# Altium PCB Copy of RUT_LCD_1.PcbDoc
Units mm, origin at the board's own origin, x right, y up, seen from the top; angles counter-clockwise.
Board outline 58.61 x 90 mm, 2 copper layers (Top Layer, Bottom Layer), stack 1.57 mm thick; 40 components, 28 nets, 172 pads, 235 vias.
Unrouted connection lines stored in the file: 2.
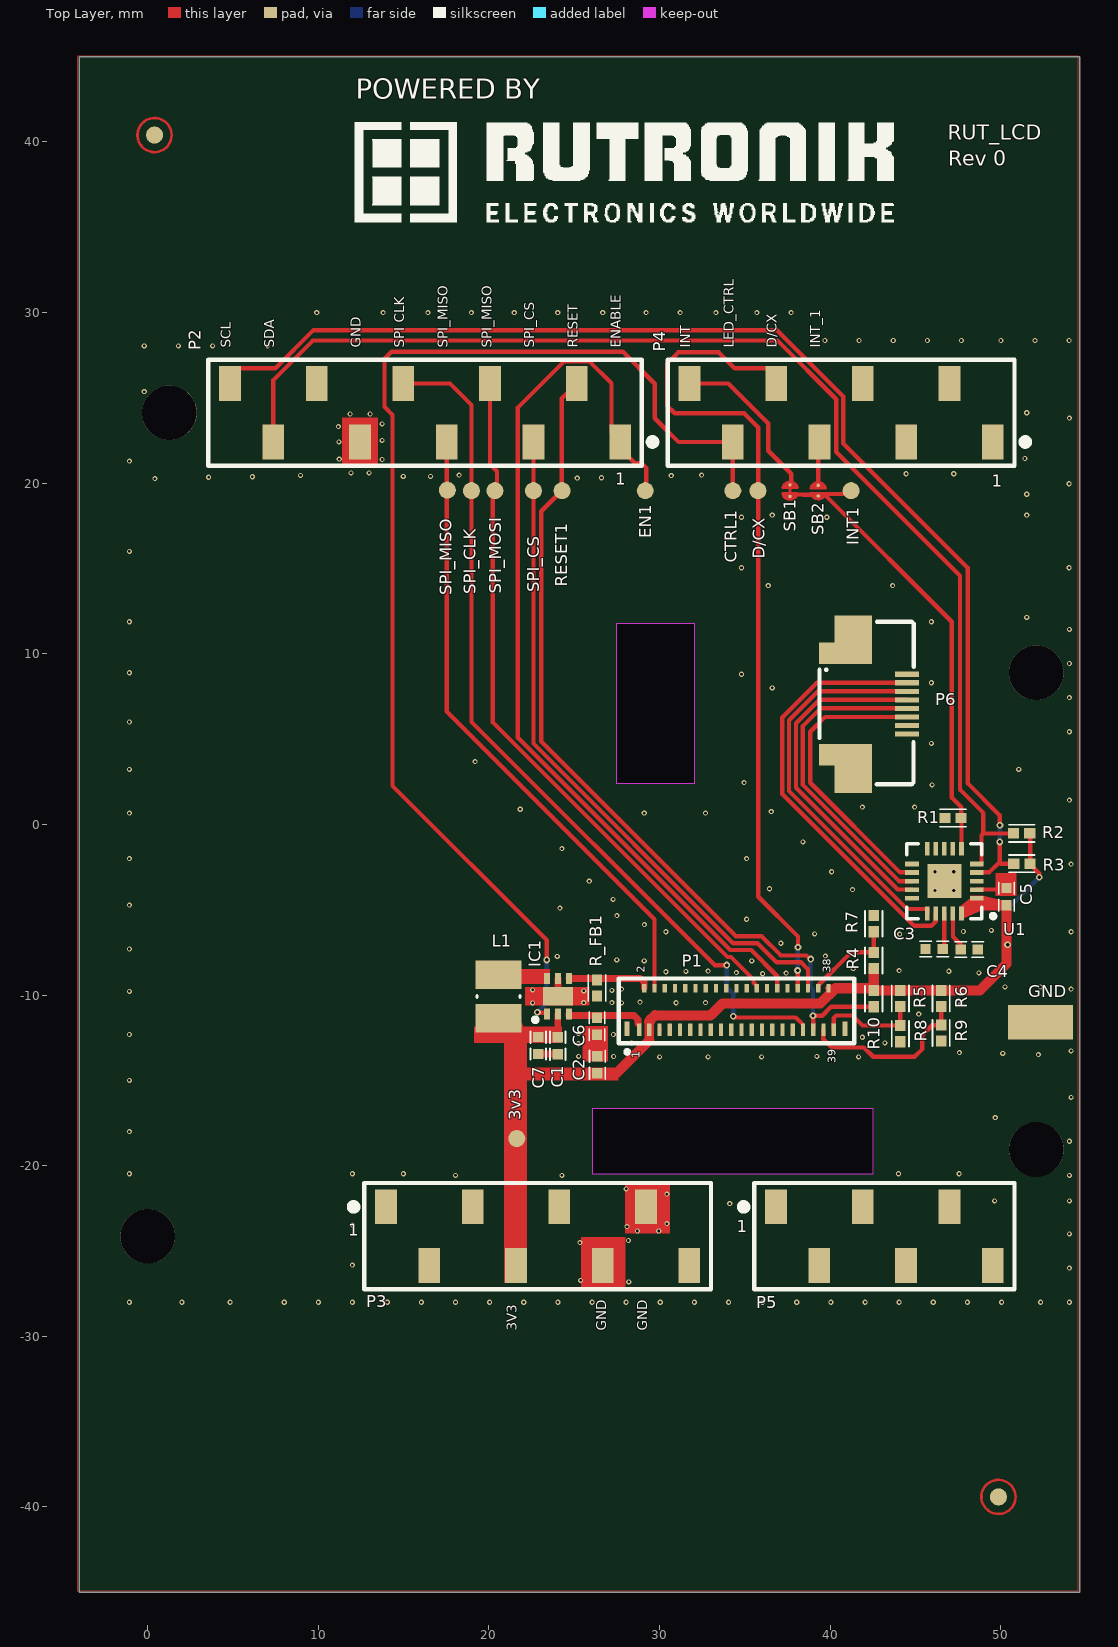
[diagram p0: Top Layer view]
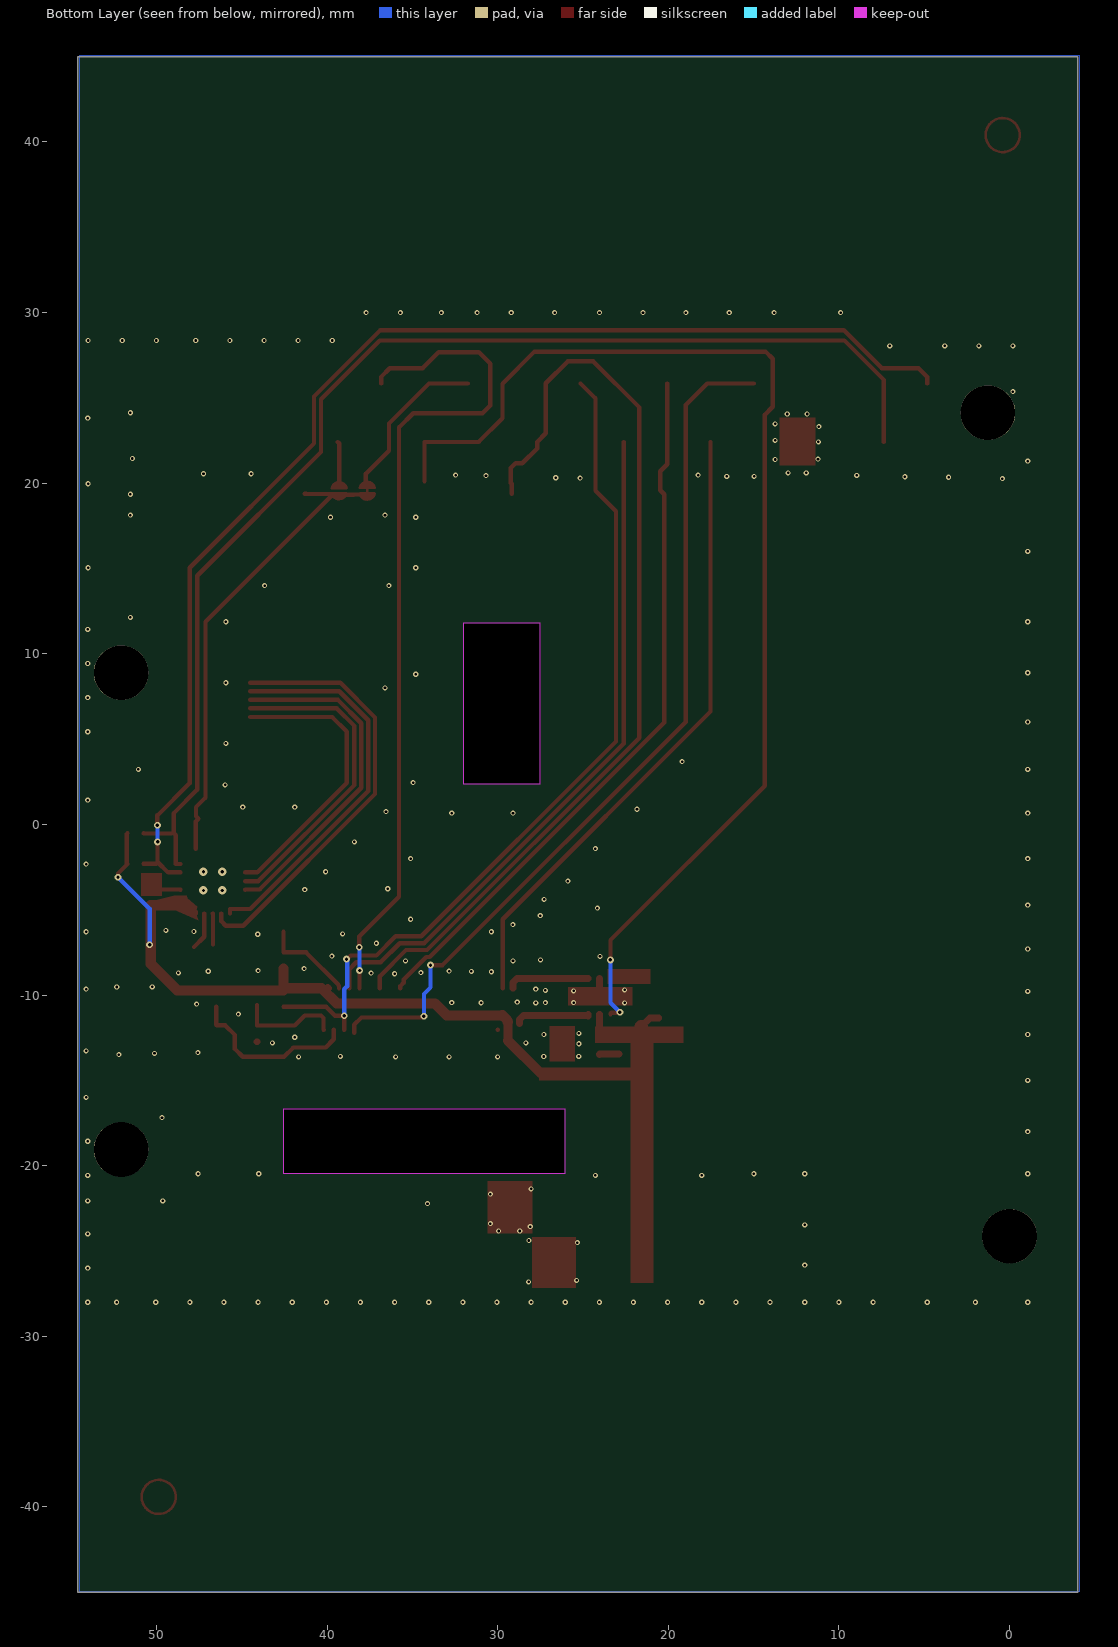
[diagram p1: Bottom Layer view, seen from below]

## Layer stack, top to bottom
Top Solder: solder mask 0.0254, SM-003, Dk 4
Top Layer: signal copper 0.0356
Core: core 1.4986, Core-043, Dk 4.3
Bottom Layer: signal copper 0.0356
Bottom Solder: solder mask 0.0254, SM-003, Dk 4

## Board outline
-4,-45 -4,45 54.61,45 54.61,-45
cut-out: 42.525,-20.474 42.525,-16.65 26.064,-16.65 26.064,-20.474
cut-out: 32.03,11.8 32.03,2.38 27.5,2.38 27.5,11.8

## Design rules (kind name [scope] priority, off if disabled: settings)
Clearance [All] p1: gap=0.15 ignorepadtopadclearanceinfootprint=FALSE except(0.1: Via-Via)
ComponentClearance [All] p1: gap=0 collisioncheckmode=3 verticalgap=0 showdistances=TRUE
DiffPairsRouting [All] p1: maxlimit=0.2 minlimit=0.15 mostfreqgap=0.15 toplayer_minwidth=0.2 toplayer_maxwidth=0.4 toplayer_prefwidth=0.25 bottomlayer_minwidth=0.2 bottomlayer_maxwidth=0.4 bottomlayer_prefwidth=0.25 maxuncoupledlength=12.7
HoleSize [All] p1: absolutevalues=TRUE maxlimit=12 minlimit=0.025 maxpercent=80.000 minpercent=20.000
HoleToHoleClearance [All] p1: gap=0 allowstackedmicrovias=TRUE
MinimumSolderMaskSliver [All] p1: minsoldermaskwidth=0
PolygonConnect PolygonConnect_via [isvia] p1: connectstyle=Direct reliefconductorwidth=0.254 reliefentries=4 polygonreliefangle="90 Angle" airgapwidth=0.254
PolygonConnect [All] p2: connectstyle=Relief reliefconductorwidth=0.4 reliefentries=4 polygonreliefangle="90 Angle" airgapwidth=0.25
RoomDefinition USBPD_Sink [InComponentClass('USBPD_Sink')] p1: confinementstyle=ConfineIn formatcopy=TRUE lockcomponents=FALSE outline -71.425,-49.675 188.974,-49.675 188.974,22.285 -71.425,22.285
RoomDefinition Power [InComponentClass('Power')] p2: confinementstyle=ConfineIn formatcopy=TRUE lockcomponents=FALSE outline -71.635,-49.055 53.415,-49.055 53.415,22.075 -71.635,22.075
RoomDefinition Main_Schematic [InComponentClass('Main_Schematic')] p3: confinementstyle=ConfineIn formatcopy=TRUE lockcomponents=FALSE outline -71.425,-49.055 195.645,-49.055 195.645,31.605 -71.425,31.605
RoutingVias [All] p1: holewidth=0.711 width=1.27 viastyle="Through Hole" minholewidth=0.15 minwidth=0.3 maxholewidth=0.96 maxwidth=1.27
SilkToSilkClearance [All] p1: silktosilkclearance=0
SilkToSolderMaskClearance [IsPad] p1: minsilkscreentomaskgap=0 clearancetoexposedcopper=TRUE
SolderMaskExpansion [All] p1: expansion=0.102
Width "Schematic Width Constraint_6" [InNet('GNSS_ANT')] p1: maxlimit=4 minlimit=0.2 preferedwidth=1.1
Width "Schematic Width Constraint_4" [InNet('CELL_ANT')] p2: maxlimit=4 minlimit=0.2 preferedwidth=1.1
Width "Schematic Width Constraint_2" [InNet('NetL3_1')] p3: maxlimit=4 minlimit=0.2 preferedwidth=1.1
Width "Schematic Width Constraint_1" [InNet('NetR7_2')] p4: maxlimit=4 minlimit=0.2 preferedwidth=1.1
Width "Schematic Width Constraint" [InNet('NetANT2_1')] p5: maxlimit=4 minlimit=0.2 preferedwidth=1.1
Width [All] p6: maxlimit=4 minlimit=0.15 preferedwidth=0.2
23 further rules are at their usual default settings.

## Components (designator, comment, footprint, x,y, rotation, side; value= is the part's Value field where it differs from the comment)
3v3 "Ø1.0mm,SMD" TP_SMD_Ø1.0MM 21.63,-18.41 r90 top
C1 "Cap Semi" c0402 24.03,-12.97 r90 top value=100nF
C2 "Cap Semi" c0402 26.35,-14.08 r270 top value=4.7uF
C3 "2.2uF" C0402 46.09,-7.3 r0 top
C4 "1uF" C0402 48.15,-7.33 r180 top
C5 "1uF" C0402 50.33,-4.23 r270 top
C6 "Cap Semi" C0402 26.33,-11.83 r270 top value=1uF
C7 "Cap Semi" C0402 22.89,-12.96 r270 top value=2.2uF
CTRL1 "Ø1.0mm,SMD" TP_SMD_Ø1.0MM 34.29,19.558 r0 top
D/CX "Ø1.0mm,SMD" TP_SMD_Ø1.0MM 35.763,19.558 r90 top
EN1 "Ø1.0mm,SMD" TP_SMD_Ø1.0MM 29.159,19.558 r0 top
GND "GND Test Point" 5019_keystone 52.33,-11.59 r0 top value=5019
IC1 "AL3050FDC-7" SON65P200X200X61-7N 24.04,-10.07 r90 bottom
INT1 "Ø1.0mm,SMD" TP_SMD_Ø1.0MM 41.224,19.558 r0 top
L1 "" INDC3225X22N 20.56,-10.08 r90 bottom value=22uH
P1 "P" FPC-39-0.3MM 28.8,-12.03 r0 top locked
P2 "DIGITAL 1" "Header  10way SMT 2.54mm 1row" 27.685,22.415 r180 top locked value=10129380-910002ALF
P3 "POWER" "HEADER  8WAY SMT 2.54MM 1ROW" 13.965,-22.415 r0 top locked value=10129380-908002ALF
P4 "DIGITAL 2" "HEADER  8WAY SMT 2.54MM 1ROW" 49.53,22.415 r180 top locked
P5 "ANALOG" "HEADER  6WAY SMT 2.54MM 1ROW" 36.825,-22.415 r0 top locked
P6 "0528920833" "CONN FFC BOTTOM 8POS 0.50MM" 44.495,5.3 r270 top locked
R1 "1M" R0402 47.2,0.38 r0 top
R2 "4.7K" R0402 51.216,-0.523 r0 top
R3 "4.7K" R0402 51.229,-2.3 r180 top
R4 "Res2" R0402 42.55,-7.975 r90 top value=10K
R5 "Res2" R0402 44.109,-10.2 r270 top value=NC
R6 "Res2" R0402 46.5,-10.2 r270 top value=10K
R7 "Res2" R0402 42.55,-5.815 r90 top value=NC
R8 "Res2" R0402 44.105,-12.259 r270 top value=10K
R9 "Res2" R0402 46.5,-12.217 r90 top value=NC
R10 "Res2" R0402 42.55,-10.21 r90 top value=10K
R_FB1 "Res1" R0402 26.33,-9.59 r90 top value=10R
RESET1 "Ø1.0mm,SMD" TP_SMD_Ø1.0MM 24.282,19.558 r90 top
SB1 "Solderbridge" Solderbridge_Shorted 37.643,19.558 r270 top net-tie
SB2 "Solderbridge" Solderbridge 39.294,19.558 r270 top
SPI_CLK "Ø1.0mm,SMD" TP_SMD_Ø1.0MM 18.974,19.558 r90 top
SPI_CS "Ø1.0mm,SMD" TP_SMD_Ø1.0MM 22.606,19.558 r90 top
SPI_MISO "Ø1.0mm,SMD" TP_SMD_Ø1.0MM 17.56,19.59 r90 top
SPI_MOSI "Ø1.0mm,SMD" TP_SMD_Ø1.0mm 20.345,19.558 r90 top
U1 "BU21077MUV" VQFN020V4040 46.69,-3.32 r180 top

## Footprints (in the part's own frame and the unit in brackets; to place one, negate y for a bottom-side part, rotate by r counter-clockwise, add the part's x,y. Pads: shape width x height; smd on the part's side, far side on the other; paste and mask are expansions set on the pad)
5019_keystone [mm] "Keystone Test Point 5019"
  rect 3.8x2.03 smd: 1(0,0)
  body extent -1.9,-1.01 1.91,1.02, height 2.29
c0402 [mm] "Chip Capacitor, 2-Leads, Body 1,0x0,5mm, IPC High Density"
  rect 0.6x0.6 smd: 1(-0.5,0) 2(0.5,0)
  silkscreen extent -0.84,-0.46 0.84,0.46, body extent -0.5,-0.3 0.5,0.3, height 0.2
C0402 [mm] "Chip Capacitor, 2-Leads, Body 1,0x0,5mm, IPC High Density"
  rect 0.6x0.6 smd: 1(-0.5,0) 2(0.5,0)
  silkscreen extent -0.84,-0.46 0.84,0.46, body extent -0.5,-0.3 0.5,0.3, height 0.2
"CONN FFC BOTTOM 8POS 0.50MM" [mm]
  rect 0.3x1.4 smd: 1(-3.5,0) 2(-3,0) 3(-2.5,0) 4(-2,0) 5(-1.5,0) 6(-1,0) 7(-0.5,0) 8(0,0)
  rect 1.6x2.2 smd: ""(-6.15,-3.15) ""(2.65,-3.15)
  rect 1.25x3.1 smd: ""(-4.725,-3.6) ""(1.225,-3.6)
  silkscreen extent -6.57,-5.12 2.94,0.39, body extent -6.48,-5.1 9.6,1.5, height 2
FPC-39-0.3MM [mm] "0.30mm Pitch, Right-Angle, Bottom Contact, 0.95mm Height, 39 Circuits, Gold over Nickel Plating"
  rect 0.25x0.72 smd: 1(0,0) 3(0.6,0) 5(1.2,0) 7(1.8,0) 9(2.4,0) 11(3,0) 13(3.6,0) 15(4.2,0) 17(4.8,0) 19(5.4,0) 21(6,0) 23(6.6,0) 25(7.2,0) 27(7.8,0) 29(8.4,0) 31(9,0) 33(9.6,0) 35(10.2,0) 37(10.8,0) 39(11.4,0)
  rect 0.25x0.52 smd: 2(0.3,2.43) 4(0.9,2.43) 6(1.5,2.43) 8(2.1,2.43) 10(2.7,2.43) 12(3.3,2.43) 14(3.9,2.43) 16(4.5,2.43) 18(5.1,2.43) 20(5.7,2.43) 22(6.3,2.43) 24(6.9,2.43) 26(7.5,2.43) 28(8.1,2.43) 30(8.7,2.43) 32(9.3,2.43) 34(9.9,2.43) 36(10.5,2.43) 38(11.1,2.43)
  rect 0.3x0.85 smd: ""(-0.71,0.065) ""(12.07,0.065)
  silkscreen extent -1.2,-1.4 12.6,3, body extent -0.97,-0.31 12.38,2.54, height 0.94
"HEADER  6WAY SMT 2.54MM 1ROW" [mm] "Single Row,  6  Positions, 2.54 mm"
  rect 1.27x2.03 smd: 1(0,0) 2(2.54,-3.43) 3(5.08,0) 4(7.62,-3.43) 5(10.16,0) 6(12.7,-3.43)
  silkscreen extent -2.05,-4.83 13.97,1.4, body extent -1.27,-4.16 13.97,0.64, height 11.87
"HEADER  8WAY SMT 2.54MM 1ROW" [mm] "Single Row,  8 Positions, 2.54 mm"
  rect 1.27x2.03 smd: 1(0,0) 2(2.54,-3.43) 3(5.08,0) 4(7.62,-3.43) 5(10.16,0) 6(12.7,-3.43) 7(15.24,0) 8(17.78,-3.43)
  silkscreen extent -2.05,-4.83 19.05,1.4, body extent -1.27,-4.16 19.05,0.64, height 11.87
"Header  10way SMT 2.54mm 1row" [mm] "Single Row, 10 Positions, 2.54 mm"
  rect 1.27x2.03 smd: 1(0,0) 2(2.54,-3.43) 3(5.08,0) 4(7.62,-3.43) 5(10.16,0) 6(12.7,-3.43) 7(15.24,0) 8(17.78,-3.43) 9(20.32,0) 10(22.86,-3.43)
  silkscreen extent -2.05,-4.83 24.13,1.4, body extent -1.27,-4.16 24.13,0.64, height 11.87
INDC3225X22N [mm] "Chip Inductor, 2-Leads, Body 3.20x2.50mm, IPC Medium Density"
  rect 1.67x2.72 smd far side: 1(-1.27,0) 2(1.27,0)
  body extent -1.75,-1.35 1.75,1.35, height 2.2
R0402 [mm] "Chip resistor 0402"
  rect 0.65x0.6 smd: 1(-0.475,0) 2(0.475,0)
  silkscreen extent -0.76,-0.51 0.76,0.51, body extent -0.5,-0.3 0.5,0.3, height 0.2
Solderbridge [mm]
  round 0.2 smd paste-10: 1(-0.312,0) 2(0.312,0)
  Top Layer region: 0.077,0.432 0.152,0.505 0.271,0.467 0.335,0.424 0.409,0.351 0.462,0.292 0.521,0.193 0.549,0.099 0.544,-0.122 0.518,-0.193 0.434,-0.33 0.351,-0.411 0.259,-0.469 0.157,-0.5 0.107,-0.483 0.077,-0.43
  Top Layer region: -0.077,-0.432 -0.152,-0.505 -0.271,-0.467 -0.335,-0.424 -0.409,-0.351 -0.462,-0.292 -0.521,-0.193 -0.549,-0.099 -0.544,0.122 -0.518,0.193 -0.434,0.33 -0.351,0.411 -0.259,0.469 -0.157,0.5 -0.107,0.483 -0.077,0.43
  Top Layer lines w0.152: 0.153,-0.431 ccw(c0.042,0) 0.182,-0.422 ccw(c0.042,0) 0.236,-0.4 ccw(c0.042,0) 0.26,-0.388 ccw(c0.042,0) 0.312,-0.353 ccw(c0.042,0) 0.421,-0.233 ccw(c0.042,0) 0.487,0 ccw(c0.042,0) 0.485,0.037 ccw(c0.042,0) 0.481,0.075 ccw(c0.042,0) 0.329,0.34 ccw(c0.042,0) 0.312,0.353 ccw(c0.042,0) 0.292,0.368 ccw(c0.042,0) 0.26,0.388 ccw(c0.042,0) 0.246,0.395 ccw(c0.042,0) 0.214,0.41 ccw(c0.042,0) 0.153,0.431 ; -0.153,-0.431 cw(c-0.042,0) -0.312,-0.353 cw(c-0.042,0) -0.398,-0.266 cw(c-0.042,0) -0.487,-0.001 cw(c-0.042,0) -0.487,0 cw(c-0.042,0) -0.461,0.149 cw(c-0.042,0) -0.458,0.159 cw(c-0.042,0) -0.153,0.431
Solderbridge_Shorted [mm]
  round 0.2 smd paste-10: 1(-0.338,0) 2(0.338,0)
  Top Layer region: 0.102,0.432 0.178,0.505 0.296,0.467 0.361,0.424 0.434,0.351 0.488,0.292 0.546,0.193 0.574,0.099 0.569,-0.122 0.544,-0.193 0.46,-0.33 0.376,-0.411 0.284,-0.469 0.183,-0.5 0.132,-0.483 0.102,-0.43
  Top Layer region: -0.102,-0.432 -0.178,-0.505 -0.296,-0.467 -0.361,-0.424 -0.434,-0.351 -0.488,-0.292 -0.546,-0.193 -0.574,-0.099 -0.569,0.122 -0.544,0.193 -0.46,0.33 -0.376,0.411 -0.284,0.469 -0.183,0.5 -0.132,0.483 -0.102,0.43
  Top Layer lines w0.15: 0.338,0 -0.338,0
  Top Layer lines w0.152: 0.178,-0.431 ccw(c0.068,0) 0.178,0.431 ; -0.178,-0.431 cw(c-0.068,0) -0.178,0.431
SON65P200X200X61-7N [mm]
  rect 0.65x0.35 smd far side: 1(-1.05,-0.65) 2(-1.05,0) 3(-1.05,0.65) 4(1.05,0.65) 5(1.05,0) 6(1.05,-0.65)
  rect 1.06x1.75 smd far side: 7(0,0)
  body extent -1.05,-1 1.05,1, height 0.61
TP_SMD_Ø1.0MM [mm]
  round 1 smd paste-5: 1(0,0)
TP_SMD_Ø1.0mm [mm]
  round 1 smd paste-5: 1(0,0)
VQFN020V4040 [mm] "QFN, 20-Leads, Body 4.00x4.00mm, Pitch 0.50mm, Thermal Pad 2x2mm, IPC Medium Density"
  rect 0.8x0.27 smd: 1(-1.9,1) 2(-1.9,0.5) 3(-1.9,0) 4(-1.9,-0.5) 5(-1.9,-1) 11(1.9,-1) 12(1.9,-0.5) 13(1.9,0) 14(1.9,0.5) 15(1.9,1)
  rect 0.27x0.8 smd: 6(-1,-1.9) 7(-0.5,-1.9) 8(0,-1.9) 9(0.5,-1.9) 10(1,-1.9) 16(1,1.9) 17(0.5,1.9) 18(0,1.9) 19(-0.5,1.9) 20(-1,1.9)
  rect 2x2 smd: 21(0,0)
  silkscreen extent -2.98,-2.2 2.2,2.2, body extent -2.06,-2.06 2.06,2.06, height 1

## Part data
3v3 CTRL1 D/CX EN1 INT1 RESET1 SPI_CLK SPI_CS SPI_MISO SPI_MOSI: library part TP_SMD_Ø1.0MM, "1.0mm circular SMD testpad", Manufacturer="Nordic Semiconductor", Part number IPS=N.A., Artikkelnr Noca=N.A., ComponentLink1Description=Datasheet, ComponentLink2Description="Supplier link", Footprint Doc=TP_SMD_Ø1.0mm, LatestRevisionDate=2013-06-11, Part Number=TP_SMD_Ø1.0MM, Pin Count=1, Published=2013-06-11, Publisher="Nordic Semiconductor"
C1: "Capacitor (Semiconductor SIM Model)", Manufacturer=YAGEO, Manufacturer Part No.=CC0402KRX7R9BB104, Supplier part number=KKK23619, Link=https://www.rutronik24.com/search-result/qs:KKK23619/reset:0, Part Description="Ceramic Capacitor", Specification="X7R, 50V, 10%", Supplier=Rutronik
C2: "Capacitor (Semiconductor SIM Model)", Manufacturer=AVX, Manufacturer Part No.=0402ZD475MAT2A, Part Description="Ceramic Capacitor", Specification="X5R, 10V, 20%", Supplier=Rutronik
C3 C4 C5: library part "Cap Semi", "Capacitor (Semiconductor SIM Model)", Manufacturer=muRata, Manufacturer Part No.=GRM155R61E105KA12D, Supplier part number=KKS4987, Link=https://www.rutronik24.com/product/murata/grm155r61e105ka12d/4725132.html, Part Description="Ceramic Capacitor", Specification="X5R, 25V, 10%", Supplier=Rutronik
C6 C7: "Capacitor (Semiconductor SIM Model)", Manufacturer=muRata, Manufacturer Part No.=GRM155R61E105KA12D, Supplier part number=KKS4987, Link=https://www.rutronik24.com/product/murata/grm155r61e105ka12d/4725132.html, Part Description="Ceramic Capacitor", Specification="X5R, 25V, 10%", Supplier=Rutronik
GND: library part 5019, "SMD Test Point", Manufacturer="Keystone Electrincs", Supplier part number=BAT4950, Link=https://www.rutronik24.com/product/keystone/pn5019/7028403.html, Manufacturer Part No.=5019, Part Description="SMT Test Point", Specification=3.81*2.03, Supplier=Rutronik
IC1: "Integrated Circuit", Manufacturer_Name="Diodes Inc.", Mouser Part Number=621-AL3050FDC-7, Datasheet Link=https://www.diodes.com/search/?q=AL3050&t=keyword&action_results=Go, Height=0.61mm, Manufacturer_Part_Number=AL3050FDC-7, Mouser Price/Stock=https://www.mouser.com/Search/Refine.aspx?Keyword=621-AL3050FDC-7
L1: library part Inductor, "Inductor", Case/Package=1210, Case Code (Imperial)=0806, Case Code (Metric)=3225, Current=80mA, Current Rating=250mA, DC Resistance (DCR)=710mR, Frequency=19MHz, Inductance=22uH, Manufacturer Part No.=BWVC00201610220M00, Manufacturer Part Number=LQH2MCN220K02, Max Operating Temperature=85°C, Min Operating Temperature=-40°C, Package Quantity=2000, Partnumber=BWVC00201610220200, Test Frequency=1MHz, Tolerance=10%, Code_IEC=1005, Code_JEITA=0402, ComponentLink1Description=https://datasheet.ciiva.com/30514/1864601-30514032.pdf?src-supplier=Jameco, ComponentLink1URL=https://datasheet.ciiva.com/30514/1864601-30514032.pdf?src-supplier=Jameco, ComponentLink2Description=https://datasheet.ciiva.com/11799/0900766b8121da8f-11799217.pdf?src-supplier=RSComponents, ComponentLink2URL=https://datasheet.ciiva.com/11799/0900766b8121da8f-11799217.pdf?src-supplier=RSComponents, ComponentLink3Description=https://datasheet.ciiva.com/18088/getdatasheetpartid-31248-18088660.pdf?src-supplier=Verical, ComponentLink3URL=https://datasheet.ciiva.com/18088/getdatasheetpartid-31248-18088660.pdf?src-supplier=Verical, ComponentLink4Description=https://datasheet.ciiva.com/29348/536629-da-01-en-induktivitaet-10-22uh-250ma-3-2x2-50-29348769.pdf?src-supplier=Conrad, ComponentLink4URL=https://datasheet.ciiva.com/29348/536629-da-01-en-induktivitaet-10-22uh-250ma-3-2x2-50-29348769.pdf?src-supplier=Conrad, ComponentLink5Description=https://datasheet.ciiva.com/6709/l0075s0093lqh32c-2333-6709846.pdf?src-supplier=Digi-Key, ComponentLink5URL=https://datasheet.ciiva.com/6709/l0075s0093lqh32c-2333-6709846.pdf?src-supplier=Digi-Key, ComponentLink6Description=https://datasheet.ciiva.com/3082/l0075s0093lqh32c-2333-3082183.pdf?src-supplier=Avnet, ComponentLink6URL=https://datasheet.ciiva.com/3082/l0075s0093lqh32c-2333-3082183.pdf?src-supplier=Avnet, ComponentLink7Description=https://datasheet.ciiva.com/17247/l0075s0093lqh32c-2333-17247816.pdf?src-supplier=Avnet+Europe, ComponentLink7URL=https://datasheet.ciiva.com/17247/l0075s0093lqh32c-2333-17247816.pdf?src-supplier=Avnet+Europe, ComponentLink8Description=https://datasheet.ciiva.com/8510/l0075s0093lqh32c-2333-8510841.pdf?src-supplier=Avnet, ComponentLink8URL=https://datasheet.ciiva.com/8510/l0075s0093lqh32c-2333-8510841.pdf?src-supplier=Avnet, Core Material=Ferrite, DC Current=250mA, Depth=2.7mm, Height=2mm, LatestRevisionDate=29-May-2009, LatestRevisionNote="IPC-7351 Footprint Added.", Lead Free="Lead Free", Length=3.2mm, Max DC Current=250mA, Military Standard=Not, Mount="Surface Mount", PackageDescription="Chip Inductor", Packaging="Tape and Reel", Pricing 1="1 = 0.33000, 10 = 0.29700, 100 = 0.20430, 500 = 0.17458, 1000 = 0.13372 (USD)", Published=8-Jun-2000, Publisher="Altium Limited", Radiation Hardening=No, RoHS=Yes, Self Resonant Frequency=19MHz, Shielding=Unshielded, Stock 1=27069, Supplier 1=Digi-Key, Supplier Part Number 1=BWVC00201610220200, Termination=SMD/SMT, Weight=0.002116oz, Width=2.5mm
P1: "FPC CONNECTOR OF LCD MODULE"
P2: library part "Header 10", Manufacturer="Amphenol ICC", Manufacturer Part No.=10129380-910002ALF, Link=https://www.rutronik24.com/search-result/qs:10129380910002ALF/reset:0, Part Description="SMT Header", Specification="10 pos. 2,54mm", Supplier=Rutronik
P3: library part "Header 8", Manufacturer Part No.=10129380-908002ALF, Part Description="Arduino Connector", Specification="8 pos. 2,54mm", Supplier=Rutronik
P4: library part "Header 8", Part Description="Arduino Connector", Specification="8 pos. 2,54mm", Supplier=Rutronik
P5: library part "Header 6", Part Description="Arduino Connector", Specification="6 pos. 2,54mm", Supplier=Rutronik
P6: "CONN FFC BOTTOM 8POS 0.50MM R/A", Current Rating=500mA, Flammability Rating="UL94 V-0", Manufacturer=Molex, Max Operating Temperature=85°C, Min Operating Temperature=-40°C, Package Quantity=1000, Supplier Part Number 1=WM11082CT-ND, Voltage Rating=50V, Actuator Material=Glass,Polyphenylene, ComponentLink1Description=https://datasheet.ciiva.com/29758/528923033-sd-29758739.pdf?src-supplier=Digi-Key, ComponentLink1URL=https://datasheet.ciiva.com/29758/528923033-sd-29758739.pdf?src-supplier=Digi-Key, ComponentLink2Description=https://datasheet.ciiva.com/46637/528922433-sd-46637399.pdf?src-supplier=Digi-Key, ComponentLink2URL=https://datasheet.ciiva.com/46637/528922433-sd-46637399.pdf?src-supplier=Digi-Key, Contact Material=Bronze, Contact Plating=Tin, Housing Material=Nylon, Manufacturer Part Number=0528920833, Mount="Surface Mount", Number of Contacts=8, Number of Positions=8, Number of Rows=1, Orientation="Right Angle", Packaging="Tape and Reel", Pitch=0.02inch, Pricing 1="1 = 0.89000, 10 = 0.77800, 25 = 0.73280, 50 = 0.70200, 100 = 0.67160, 250 = 0.61052, 500 = 0.54946 (USD)", Radiation Hardening=No, RoHS=Yes, Stock 1=5457, Supplier 1=Digi-Key, Termination=Solder, Wire/Cable Type=Straight
R1 R2 R3: library part Res2, Manufacturer=ASJ, Manufacturer Part No.=CR10-103-JK, Supplier part number=WRC40976, Link=https://www.rutronik24.com/product/asj/cr10-103-jk/54295.html, Part Description="Thick Film Resistor", Specification="5% 0,063W", Supplier=Rutronik
R4 R5 R6 R7 R8 R9 R10: Manufacturer=ASJ, Manufacturer Part No.=CR10-103-JK, Supplier part number=WRC40976, Link=https://www.rutronik24.com/product/asj/cr10-103-jk/54295.html, Part Description="Thick Film Resistor", Specification="5% 0,063W", Supplier=Rutronik
R_FB1: "Resistor", LatestRevisionDate=17-Jul-2002, LatestRevisionNote="Re-released for DXP Platform.", Link=https://eu.mouser.com/ProductDetail/Vishay-Beyschlag/MCS04020C1009FE000?qs=sGAEpiMZZMu61qfTUdNhG%2FwwRiJvfR8neD9ATJQ45Og%3D, Part Description="Thin Film Resistors", Published=8-Jun-2000, Publisher="Altium Limited", Specification="1% 0,063W"
SB1: library part "Solderbridge Shorted", "Shorted Solderbridge", Part number IPS=N.A., Artikkelnr Noca=N.A., ComponentLink1Description=Datasheet, ComponentLink2Description="Supplier link", Footprint Doc=Solderbridge_Shorted, LatestRevisionDate=2012-08-07, Part Number="Solderbridge Shorted", Pin Count=2, Published=2012-08-07, Publisher="Nordic Semiconductor"
SB2: Part number IPS=N.A., Artikkelnr Noca=N.A., ComponentLink1Description=Datasheet, ComponentLink2Description="Supplier link", Footprint Doc=Solderbridge, LatestRevisionDate=2009-12-14, Part Number=Solderbridge, Pin Count=2, Published=2009-12-14, Publisher="Nordic Semiconductor"
U1: "Capacitive Switch Controller IC", Manufacturer=Rohm, Manufacturer Part Number=BU21077MUV-E2, Max Operating Temperature=85°C, Min Operating Temperature=-20°C, ComponentLink1Description=https://www.rohm.com/datasheet/BU21077MUV/bu21077muv-e.pdf?src-supplier=Digi-Key, ComponentLink1URL=https://www.rohm.com/datasheet/BU21077MUV/bu21077muv-e.pdf?src-supplier=Digi-Key, Mount="Surface Mount", Packaging="Tape and Reel", Pricing 1="1 = 2.09000, 10 = 1.87600, 25 = 1.77000, 100 = 1.50800, 250 = 1.41600, 500 = 1.23900, 1000 = 1.02660 (USD)", RoHS=No, Stock 1=2496, Supplier 1=Digi-Key

## Free pads (board coordinates)
  round 3.2 hole 3.2 unplated: ""(0,-24.13) ""(1.27,24.13) ""(52.07,-19.05) ""(52.07,8.89)
  round 1 smd paste-1 mask+0.4: ""(0.4,40.4) ""(49.86,-39.41)

## Via types
v1: diameter 0.3, hole 0.15, Top Layer to Bottom Layer, tented both sides, 219 vias
v2: diameter 0.4, hole 0.2, Top Layer to Bottom Layer, tented bottom, 11 vias
v3: diameter 0.5, hole 0.2, Top Layer to Bottom Layer, tented bottom, 4 vias
v4: diameter 0.4, hole 0.2, Top Layer to Bottom Layer, tented both sides, 1 vias

## Nets (pads, with @x,y where several pads share a name; then routed paths per layer and width w, separated by ;. In a path a pad name is that pad's centre, name@x,y a point inside that pad or via, vN(x,y) a via of type N, cw(c..) or ccw(c..) an arc to the next point about the centre after c; other vN are vias at no path point)
3V3: 3v3.1 C1.2 C2.2 C5.2 C7.1 IC1.2 L1.1 P1.3 P1.38 P3.4 R2.2 R3.1 R4.1 R5.1 R6.1 R10.2 U1.1 U1.20 | length 64.3
  Top Layer w0.254: IC1.2@24.035,-11.125 IC1.2 ; R10.2@42.81,-9.697 43.776,-9.697 ; 45.305,-9.697 R6.1@46.5,-9.697 ; U1.20 47.69,-5.129 47.698,-5.121 U1.20@47.789,-5.121 ; R2.2 51.729,-0.56 R3.1@51.729,-2.3 ; R3.1 51.689,-2.315 52.248,-2.874 v2(52.248,-3.094)
  Top Layer w0.4: L1.1 21.085,-11.35 L1.1@21.592,-11.858 ; 22.095,-12.36 22.79,-12.36 C7.1 22.895,-12.465 24.025,-12.465 C1.2 24.035,-12.465 IC1.2@24.035,-11.125 ; 29.4,-12.66 P1.3 29.4,-11.58 ; P1.38 P1.38@39.955,-9.545
  Top Layer w0.6: P3.4 21.608,-25.823 3v3.1@21.608,-18.432 ; 3v3.1@21.585,-18.41 21.585,-12.51 21.735,-12.36 22.095,-12.36 ; 25.35,-14.69 26.48,-14.69 26.48,-14.57 27.49,-14.57 29.4,-12.66 ; 29.4,-11.58 29.425,-11.58 29.425,-11.484 29.735,-11.173 29.752,-11.19 32.99,-11.19 33.69,-10.49 39.431,-10.49 40.321,-9.6 R10.2@42.55,-9.6 ; R4.1 R10.2@42.55,-9.6 ; 48.443,-4.531 48.642,-4.73 C5.2 50.33,-8.171 48.776,-9.725 R6.1 45.081,-9.725 45.071,-9.735 R10.2 R10.2@42.55,-9.6
  Top Layer w0.8: 21.585,-12.51 21.585,-11.865 L1.1@21.592,-11.858
  Bottom Layer w0.254: v2(50.394,-7.055) 50.394,-4.949 v2(52.248,-3.094)
D/CX: D/CX.1 P1.32 P4.6 | length 49.8
  Top Layer w0.254: P4.6 36.83,26.225 36.322,26.733 34.396,26.733 33.459,27.67 31.1,27.67 30.435,27.005 30.435,24.555 30.89,24.1 34.95,24.1 35.782,23.268 35.782,20.1 35.782,-4.242 38.109,-6.569 v2(38.109,-7.2) ; v2(38.09,-8.56) 38.098,-8.568 38.098,-9.598 P1.32
  Bottom Layer w0.254: v2(38.09,-8.56) 38.099,-8.551 38.099,-7.21 v2(38.109,-7.2)
ENABLE: EN1.1 P1.28 P2.1 | length 55.8
  Top Layer w0.254: EN1.1@29.175,19.371 29.175,19.958 29.227,20.01 29.227,20.887 28.946,21.168 28.552,21.168 27.685,22.035 P2.1 27.177,22.923 27.177,25.855 25.895,27.137 24.395,27.137 21.693,24.435 21.693,5.086 34.142,-7.364 35.367,-7.364 36.9,-8.896 P1.28
GND: C1.1 C2.1 C3.1 C4.1 C5.1 C6.2 C7.2 GND.1 IC1.5 IC1.7 P1.5 P1.6 P1.7 P1.8 P1.9 P1.10 P1.11 P1.12 P1.13 P1.14 P1.15 P1.16 P1.17 P1.18 P1.19 P1.20 P1.21 P1.22 P1.23 P1.25 P1.26 P1.27 P1.29 P1.30 P1.31 P2.7 P3.6 P3.7 P6.1 P6.8 R1.1 R7.2 R8.2 R9.1 R_FB1.1 U1.2 U1.7 U1.8 U1.9 U1.10 | length 4.4
  Top Layer w0.254: P1.5 P1.5@30.002,-12.032 ; U1.2 48.598,-3.812 50.717,-3.812 50.776,-3.753
  Top Layer w0.4: C7.2 24.02,-13.46 C1.1 C1.1@24.035,-13.475 ; IC1.7 IC1.5 ; R8.2@44.103,-12.736 R8.2
  other v1: -1.07,-28 2,-28 4.825,-28 8,-28 10,-28 12,-28 14.04,-28 16.04,-28 18.04,-28 20.04,-28 22.04,-28 24.04,-28 26.04,-28 28.04,-28 30.04,-28 32.04,-28 34.04,-28 36.04,-28 38.04,-28 40.04,-28 42.04,-28 44.04,-28 46.04,-28 48.04,-28 50.04,-28 52.33,-28 54.02,-28 28.19,-26.812 25.375,-26.721 54.02,-26 12,-25.823 25.324,-24.511 28.169,-24.384 54.02,-24 28.702,-23.825 29.947,-23.825 28.09,-23.571 12,-23.472 30.429,-23.393 34.112,-22.225 49.63,-22.06 54.02,-22.06 30.429,-21.666 28.042,-21.361 18.04,-20.57 24.27,-20.57 54.02,-20.57 -1.07,-20.474 12,-20.474 14.985,-20.474 44,-20.474 47.55,-20.474 54.02,-18.57 -1.07,-18 49.67,-17.18 54.12,-16 -1.07,-15 30,-13.62 32.84,-13.62 35.98,-13.62 41.66,-13.62 25.25,-13.59 27.3,-13.6 39.216,-13.59 52.197,-13.487 50.109,-13.417 47.567,-13.374 54.12,-13.27 25.24,-12.852 28.346,-12.802 43.2,-12.8 41.889,-12.47 -1.07,-12.31 27.29,-12.31 25.24,-12.25 45.19,-11.119 47.643,-10.527 22.555,-10.46 27.77,-10.46 25.552,-10.439 27.203,-10.439 30.97,-10.45 32.69,-10.44 28.85,-10.41 -1.07,-9.78 25.552,-9.754 27.203,-9.728 22.555,-9.697 27.77,-9.65 54.12,-9.65 50.241,-9.52 52.32,-9.527 36.04,-8.754 37.414,-8.712 34.5,-8.687 48.71,-8.698 30.37,-8.636 31.54,-8.61 46.957,-8.605 32.84,-8.6 44.036,-8.564 41.345,-8.45 29.1,-8 35.4,-8 27.49,-7.94 24.003,-7.733 39.718,-7.714 -1.07,-7.3 37.107,-6.963 44.062,-6.437 39.083,-6.412 30.37,-6.29 47.803,-6.274 54.12,-6.29 49.446,-6.209 29.108,-5.867 35.1,-5.56 27.5,-5.34 24.155,-4.902 -1.07,-4.73 27.28,-4.394 41.305,-3.82 36.439,-3.77 25.88,-3.32 40.08,-2.77 54.12,-2.325 -1.07,-2 35.1,-2 24.27,-1.42 38.396,-1.02 -1.07,0.665 29.1,0.665 32.69,0.665 36.543,0.751 21.832,0.891 41.889,1.015 44.94,1.015 54.02,1.43 45.973,2.314 34.95,2.448 -1.07,3.23 51.05,3.23 19.19,3.685 45.929,4.745 54.02,5.43 -1.07,6.003 54.02,7.43 36.6,8 45.929,8.3 34.8,8.8 -1.07,8.89 54.02,9.43 54.02,11.43 -1.07,11.881 45.929,11.881 51.52,12.13 36.37,14 43.66,14 34.8,15.04 54,15.04 -1.07,16 34.8,18 39.795,18 36.6,18.13 51.52,18.13 51.52,19.35 54,19.966 0.419,20.272 25.171,20.295 26.594,20.32 3.568,20.348 6.134,20.376 14.974,20.399 16.574,20.399 8.954,20.452 30.683,20.447 18.25,20.475 32.461,20.472 44.445,20.551 47.24,20.551 11.913,20.599 12.979,20.599 -1.07,21.29 13.741,21.387 11.227,21.412 51.405,21.445 11.201,22.415 13.741,22.504 11.176,23.317 13.741,23.47 54.02,23.81 11.862,24.054 13.03,24.054 51.52,24.13 -0.2,25.37 -0.2,28.048 1.8,28.048 3.8,28.048 7.023,28.048 39.69,28.36 41.69,28.36 43.69,28.36 45.69,28.36 47.69,28.36 50,28.36 52,28.36 54,28.36 9.905,30 13.8,30 16.425,30 18.97,30 21.48,30 24.03,30 26.665,30 29.205,30 31.2,30 33.3,30 35.7,30 37.709,30
INT: INT1.1 R1.2 SB1.2 SB2.2 U1.6 | length 27.4
  Top Layer w0.254: 37.72,19.332 38.421,19.332 38.431,19.322 38.894,19.322 SB2.2@39.29,19.322 ; INT1.1@41.301,19.375 41.228,19.373 39.704,19.344 39.658,19.343 39.689,19.312 47.12,11.881 47.12,1.57 47.675,1.015 47.675,0.475 47.53,0.33 47.69,0.17 47.69,0.145 U1.6
KEY1: P6.2 U1.17 | length 25.4
  Top Layer w0.254: P6.2 39.216,8.3 37.184,6.268 37.184,1.788 44.912,-5.94 45.929,-5.94 46.19,-5.679 U1.17
KEY2: P6.3 U1.16 | length 23
  Top Layer w0.254: P6.3 39.287,7.8 37.588,6.101 37.588,1.955 44.498,-4.955 45.69,-4.955 U1.16
KEY3: P6.4 U1.14 | length 20.1
  Top Layer w0.254: P6.4 39.359,7.3 37.992,5.933 37.992,2.147 43.951,-3.812 44.782,-3.812 U1.14
KEY4: P6.5 U1.13 | length 18.7
  Top Layer w0.254: P6.5 39.43,6.8 38.396,5.766 38.396,2.314 44.03,-3.32 U1.13
KEY5: P6.6 U1.12 | length 17.1
  Top Layer w0.254: P6.6 39.7,6.3 38.834,5.434 38.834,2.448 44.093,-2.812 44.782,-2.812 U1.12
LED_A: C6.1 IC1.3 P1.1 | length 4.5
  Top Layer w0.4: IC1.3@24.69,-11.22 IC1.3@24.69,-11.165 ; IC1.3 IC1.3@24.69,-11.165 ; P1.1@28.725,-11.675 28.725,-11.424 28.491,-11.19 24.715,-11.19 IC1.3@24.69,-11.165
LED_CTRL: CTRL1.1 IC1.1 P4.7 | length 69.3
  Top Layer w0.254: v4(22.835,-11.007) 22.863,-11.035 23.342,-11.035 23.39,-11.083 IC1.1 ; v2(23.39,-7.94) 23.39,-6.778 14.351,2.261 14.351,24.003 13.88,24.474 13.88,27.29 14.3,27.71 27.84,27.71 29.72,25.83 29.72,23.81 31.115,22.415 P4.7 34.29,20.12
  Bottom Layer w0.254: v4(22.835,-11.007) 23.39,-10.452 v2(23.39,-7.94)
LED_K: IC1.4 P1.2 R_FB1.2 | length 4.9
  Top Layer w0.4: IC1.4 26.35,-9.02 28.866,-9.02 29.1,-9.254 P1.2
NetC3_2: C3.2 U1.18 | length 1.8
  Top Layer w0.254: C3.2@46.682,-7.033 46.682,-5.228 U1.18
NetC4_2: C4.2 U1.19 | length 2.2
  Top Layer w0.254: U1.19 47.19,-6.577 C4.2@47.796,-7.183
NetIC1_6: IC1.6 L1.2
NetP1_36: P1.36 R4.2 R7.1 | length 5.4
  Top Layer w0.254: P1.36 39.3,-9.469 39.331,-9.438 39.331,-9.392 41.223,-7.5 R4.2 R7.1
NetP1_37: P1.37 R6.2 R9.2 | length 10.2
  Top Layer w0.254: P1.37 39.6,-12.59 40.08,-13.07 41.97,-13.07 42.52,-13.62 44.94,-13.62 45.4,-13.16 45.4,-12.34 45.973,-11.767 46.47,-11.767 R9.2@46.47,-11.742 ; R9.2 R6.2
NetP1_39: P1.39 R5.2 R8.1 | length 6.1
  Top Layer w0.254: P1.39 P1.39 40.202,-11.349 40.351,-11.2 41.305,-11.2 41.889,-11.784 R8.1 R5.2@44.105,-10.578
NetP4_5: P4.5 SB2.1 | length 2.5
  Top Layer w0.254: SB2.1@39.29,19.947 39.29,20.122 39.29,22.335 P4.5
NetP4_8: P4.8 SB1.1 | length 9.6
  Top Layer w0.254: P4.8 34.025,25.845 36.37,23.5 36.37,21.901 37.72,20.551 37.72,20.008
RESET: P1.35 P2.2 R10.1 RESET1.1 | length 50.9
  Top Layer w0.254: P2.2 24.27,24.97 24.27,19.56 23.064,18.354 23.064,4.858 34.471,-6.55 35.98,-6.55 37.107,-7.677 38.607,-7.677 38.82,-7.89 v2(38.86,-7.89) ; P1.35 38.998,-12.028 38.998,-11.218 39.006,-11.21 39.527,-11.21 40.052,-10.685 R10.1
  Bottom Layer w0.254: v2(38.86,-7.89) 38.86,-7.93 38.823,-7.967 38.823,-9.485 38.99,-9.652 v2(38.99,-11.21)
SCL: P2.10 R3.2 U1.4 | length 72.6
  Top Layer w0.254: P2.10 4.825,26.225 5.333,26.733 7.482,26.733 9.719,28.97 36.871,28.97 40.76,25.081 40.76,22.33 48.05,15.04 48.05,2.42 49.94,0.53 v2(49.94,-0.05) ; U1.4 48.598,-2.812 49.313,-2.812 49.914,-2.211 ; v2(49.93,-1.02) 49.93,-2.227 50,-2.296 50.75,-2.296 R3.2
  Bottom Layer w0.254: v2(49.93,-1.02) 49.935,-1.015 49.935,-0.055 v2(49.94,-0.05)
SDA: P2.9 R2.1 U1.5 | length 71.8
  Top Layer w0.254: P2.9 7.365,26.045 9.68,28.36 36.91,28.36 40.356,24.914 40.356,21.822 47.6,14.578 47.6,2.04 48.975,0.665 48.975,-0.523 48.863,-0.635 48.863,-2.312 48.855,-2.32 U1.5 ; 49.097,-0.527 50.737,-0.527 R2.1
SPI_CLK: P1.33 P2.6 SPI_CLK.1 | length 51.9
  Top Layer w0.254: P2.6 17.716,25.845 18.98,24.581 18.98,19.568 18.98,6.003 33.228,-8.245 v2(33.934,-8.245) ; v2(34.32,-11.24) 34.39,-11.31 37.98,-11.31 38.4,-11.73 P1.33 P1.33@38.4,-12.208
  Bottom Layer w0.254: v2(33.934,-8.245) 33.934,-9.549 34.32,-9.935 v2(34.32,-11.24)
SPI_CS: P1.34 P2.3 SPI_CS.1 | length 40.4
  Top Layer w0.254: P2.3 22.605,19.53 22.605,4.745 34.31,-6.96 35.737,-6.96 36.858,-8.081 38.286,-8.081 38.7,-8.495 P1.34
SPI_MISO: P1.4 P2.5 SPI_MISO.1 | length 37.1
  Top Layer w0.254: P2.5 17.525,6.615 29.7,-5.56 P1.4
SPI_MOSI: P1.24 P2.4 SPI_MOSI.1 | length 42.2
  Top Layer w0.254: P2.4 20.065,21.105 20.472,20.698 20.472,19.884 20.472,19.59 20.411,19.529 20.23,19.348 20.23,5.977 33.975,-7.768 34.185,-7.768 35.502,-9.085 35.502,-9.271 35.7,-9.469 P1.24
pads on no net: P1. P2.8 P3.1 P3.2 P3.3 P3.5 P3.8 P4.1 P4.2 P4.3 P4.4 P5.1 P5.2 P5.3 P5.4 P5.5 P5.6 P6. P6.7 U1.3 U1.11 U1.15 U1.21
copper on no net: | length 12.6
  Top Layer w0.15: 1.4,40.4 ccw(c0.4,40.4) 1.4,40.4 ; 50.86,-39.41 ccw(c49.86,-39.41) 50.86,-39.41
  other v3: 46.14,-3.87 47.24,-3.87 46.14,-2.77 47.24,-2.77

## Polygon pours and split planes (outlines as drawn)
GND on Top Layer "NONET_TOP_LAYER_P006" (solid, remove dead copper, shelved, pour order 6): -4.102,45.051 54.508,45.051 54.508,-44.949 -4.102,-44.949
GND on Bottom Layer "NONET_BOTTOM_LAYER_P002" (solid, shelved, pour order 2): -4.102,45.051 54.508,45.051 54.508,-44.949 -4.102,-44.949

## Other copper
Top Layer:
  rectangle net GND: 49.68,-4.19 50.902,-2.845
  rectangle net GND: 11.379,21.031 13.487,23.851
  rectangle net GND: 25.476,-13.902 26.975,-11.811
  rectangle net GND: 27.958,-23.978 30.6,-20.904
  rectangle net GND: 25.4,-27.178 27.991,-24.181
  rectangle net GND: 22.1,-10.61 25.88,-9.52
  rectangle net GND: 24.88,-10.62 25.47,-9.55
  rectangle net 3V3: 29.12,-12.58 29.67,-11.61
  rectangle net 3V3: 22.12,-15 27.59,-14.24
  rectangle net 3V3: 20.88,-26.873 22.22,-12.14
  region net 3V3: 19.12,-11.83 19.12,-12.81 24.29,-12.81 24.29,-11.83
  region net NetIC1_6: 21.05,-8.48 21.05,-9.35 23.57,-9.35 23.57,-8.48
  region net RESET: 37.935,-7.08
  region net 3V3: 47.593,-4.812 47.705,-5.177 47.55,-5.62 48.94,-5 50.04,-5.01 50.03,-4.44 48.98,-4.19 48.21,-4.19 48.202,-4.335
  pour cut-out: 21.99,-7.88 21.99,-12.8 19.07,-12.8 19.07,-7.89 21.98,-7.89
  pour cut-out: 8.61,3.63
  pour cut-out: 25.2,25
  pour cut-out: 25.146,25.038
Bottom Layer:
  pour cut-out: 22.02,-7.89 22.02,-12.81 19.1,-12.81 19.1,-7.9 22.01,-7.9

## Silkscreen, mask and mechanical layers (free items; w line width, h text height)
Top Overlay:
  drawing of 34 lines, arcs and shapes, not listed
  text "POWERED BY" at 12.178,42.162 h2
  text "RUT_LCD" at 46.88,39.83 h1.5
  text "Rev 0" at 46.91,38.31 h1.5
  text "SCL" at 5.08,27.94 h1 r90
  text "SDA" at 7.62,27.94 h1 r90
  text "GND" at 12.7,27.94 h1 r90
  text "SPI CLK" at 15.24,27.94 h1 r90
  text "SPI_MISO" at 17.78,27.94 h1 r90
  text "SPI_MISO" at 20.364,27.94 h1 r90
  text "SPI_CS" at 22.86,27.94 h1 r90
  text "RESET" at 25.4,27.94 h1 r90
  text "ENABLE" at 27.94,27.94 h1 r90
  text "INT" at 32,27.94 h1 r90
  text "LED_CTRL" at 34.545,27.94 h1 r90
  text "D/CX" at 37.085,27.94 h1 r90
  text "INT_1" at 39.62,27.94 h1 r90
  text "1" at 27.395,19.67 h1.2
  text "1" at 49.48,19.57 h1.2
  text "2" at 29.3,-8.7 h0.8 r90
  text "38" at 40.2,-8.7 h0.8 r90
  text "1" at 29,-13.7 h0.8 r90
  text "39" at 40.5,-14 h0.8 r90
  text "1" at 34.52,-24.13 h1.2
  text "1" at 11.75,-24.34 h1.2
  text "3V3" at 21.82,-29.672 h1 r90
  text "GND" at 27.082,-29.672 h1 r90
  text "GND" at 29.49,-29.672 h1 r90
Mechanical 1:
  circle w0.254: c0,-24.13 r2.8
  circle w0.254: c52.07,-19.05 r2.8
  circle w0.254: c1.27,24.13 r2.8
  lines w0.01: 0,-24.13 0,24.13
  lines w0.1: 13.335,-24.13 14.605,-24.13 ; 13.97,-24.765 13.97,-23.495 ; 27.051,24.13 28.321,24.13 ; 27.686,23.495 27.686,24.765 ; 36.195,-24.13 37.465,-24.13 ; 36.83,-24.765 36.83,-23.495 ; 48.895,24.13 50.165,24.13 ; 49.53,23.495 49.53,24.765
  lines w0.254: 54.87,8.89 cw(c52.07,8.89) 54.87,8.901 ; -4,-45 -4,45 54.61,45 54.61,-45 -4,-45
Mechanical 7:
  lines w0.254: 4.826,28.24 4.826,24.13 27.686,24.13 27.686,27.732 ; 13.97,-27.767 13.97,-24.13 31.75,-24.13 31.75,-27.767 ; 31.75,27.859 31.75,24.13 49.53,24.13 49.53,27.859 ; 36.83,-27.767 36.83,-24.13 49.53,-24.13 49.53,-27.513

## Dimensions
54.61,-45 to -4,-45 on Mechanical 1
54.61,-45 to 54.61,45 on Mechanical 1
27.5,11.8 to 27.5,2.38 on Mechanical 1
27.5,2.38 to 32.03,2.38 on Mechanical 1
42.525,-16.65 to 42.525,-20.474 on Mechanical 1